# KiCad board JL_checkpoint.kicad_pcb (continued)
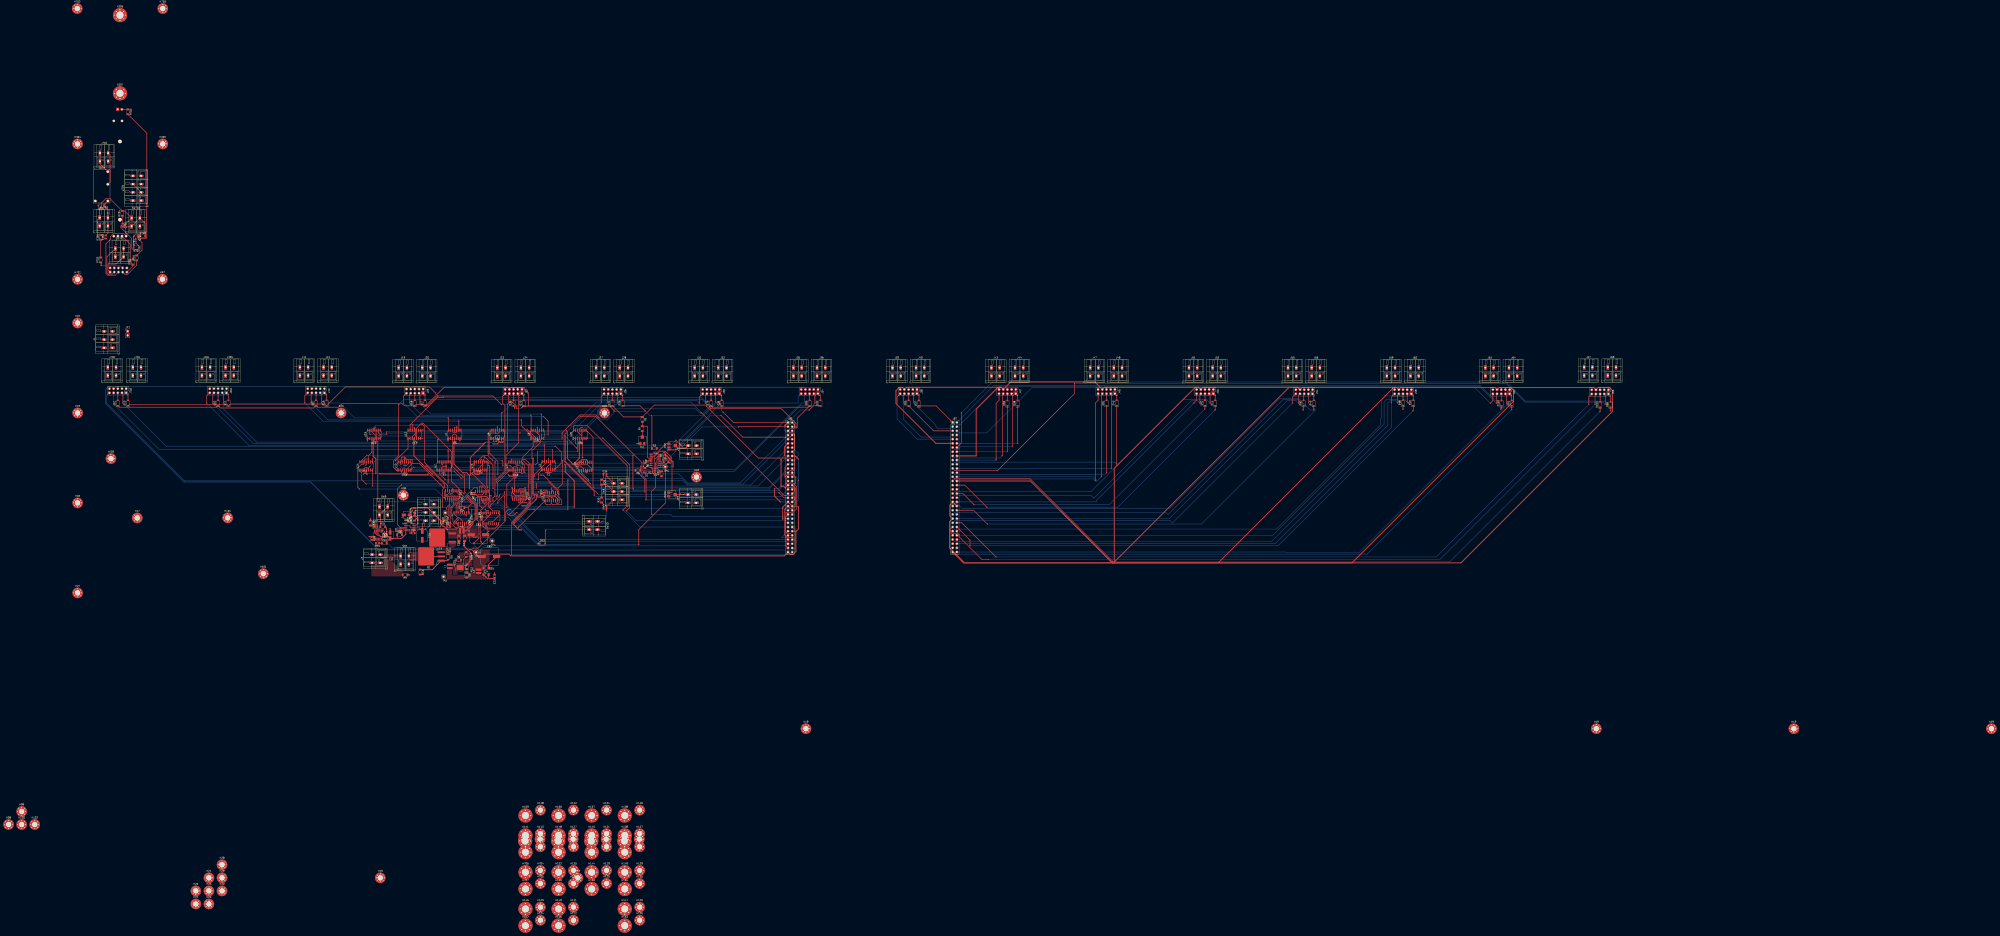
[diagram p0: board, top side]
## Routing (per net, layer and track width the routed paths; a pad name or vN(x,y) marks a point on that pad's centre or on a via; arc(x,y) is an arc through that point) (continued)
/Power Supply/5VA Unfiltered: length 8
  Top w0.5: C24.1 290.88,210.8 294.69,210.8 C23.1
GND: length 222.2
  Top w0.3: U16.11 286.69,281.07 ; 217.19,280.29 U14.11 ; 271.8,294.07 C4.1 271.65,293.54 v1(271.69,293.5) ; 321.19,300 U6.11 ; C18.1 308.69,275.16 310.92,275.16 311.54,274.55 312.19,274.55 312.61,274.98 312.61,277.47 310.59,279.5 308.73,279.5 307.69,280.55 U17.11 ; U10.11 240.44,280.81 ; 241.15,274.67 C10.1
  Top w0.349: U25.8 270.57,250.2 272.77,248 273.52,248 275.65,245.87 U25.13 ; R1.1 397.88,282.53 v2(397.31,283.1) ; v2(396.71,281.77) 396.26,282.21 U1.11 ; U2.7 354.25,277.5 351.75,280 C3.2 ; C1.1 329.46,275.23 v1(329.49,275.25) ; C14.1 215.96,274.77 v1(215.44,274.25) ; v1(327.89,283.82) 327.94,283.77 U3.11 ; C20.1 347.59,293.3 v2(347.68,293.2) ; U26.8 297.63,243.45 295.41,241.23 289.61,241.23 288.02,242.82 288.02,245.17 292.55,249.7 U26.13 292.55,249.77 291.01,248.23 288.23,248.23 C89.1 ; v2(295.58,294.27) 295.6,294.25 C9.1 ; 217.19,280.29 217.19,280 v1(216.94,279.75) ; v2(321.21,302.7) 321.19,302.68 U6.11 ; v2(348.51,302.7) 347.69,302.7 346.94,301.95 U20.11 ; v2(385.56,282.3) 386.46,281.4 R6.1 ; v2(387.16,282.43) 387.83,281.75 C2.1
  Top w0.5: v1(292.81,217.25) C25.2 291.56,219.4 C85.2 ; R26.1 236.05,236.06 v1(236.06,236.05) ; R9.1 243.56,213.1 v1(243.59,213.07) ; v1(240.29,284.05) 240.44,283.9 U10.11 ; C17.1 284.49,274.98 v1(284.36,274.85) ; v3(305.74,266) 306.13,265.61 U5.7 306.13,263 307.98,261.15 311.59,261.15 312.23,260.5 C5.2 ; 240.16,249.54 240.16,249.1 v1(239.04,247.98) ; v2(222.88,302.73) 221.94,301.78 U15.11 221.94,302.05 ; C38.1 219.11,236.25 v1(219.01,236.35) ; C13.2 325.12,261.5 327.44,261.5 328.09,260.85 328.69,260.85 328.77,260.92 331.83,260.92 333.5,259.25 U13.7 ; 289.71,237.5 289.71,237.8 v1(291.69,239.77) ; v1(274.11,232.27) 273.51,232.88 C26.2 ; 284.19,262.03 283.69,262.03 ; 283.69,262.03 C8.2 281.47,262.03 v3(281.28,261.84) ; 283.69,262.03 284.87,260.85 290.15,260.85 291.25,259.75 U8.7 ; R32.1 219.76,247.48 v1(219.79,247.5) ; C39.2 223.11,230.93 v1(223.19,230.85) ; v2(296.89,302.88) 296.94,302.82 U9.11 ; U25.13 275.65,243.04 276.54,242.15 278.82,242.15 281.19,244.51 C88.1 ; C82.1 240.92,246.04 v1(240.86,245.98) ; C16.2 280.19,222 ; 280.19,222 280.19,221.21 R13.1 ; 280.19,222 281,222.81 281,226.14 276.61,230.53 v1(276.61,232.25) 277.01,232.65 C27.2 ; C15.1 222.66,294.27 223.19,293.75 ; v2(270.99,302.57) 270.94,302.52 U4.11 ; C87.1 v1(228.26,239.55) ; v1(251.66,213.38) 251.64,213.35 R10.2 ; v1(231.71,241.12) 231.76,241.07 C86.2 ; U12.11 v2(246.44,302.68) ; v2(247.99,293.63) 247.39,294.23 C12.1 ; C34.1 243.77,238.54 v1(243.76,238.52) ; C11.2 274.08,260.9 265.58,260.9 265.08,261.41 265.08,263.93 U11.7 ; C10.1 241.86,274.98 v1(242.14,274.7) ; RV1.3 381.6,292.86 v2(381.59,292.85) ; C24.2 v1(291.56,211.7) ; C6.1 319.53,294.02 v3(319.42,293.92) ; v1(287.34,283.32) 286.69,282.68 U16.11 ; v1(239.54,244.2) 239.54,244.19 U23.1 ; U24.1 226.89,239.8 v1(227.49,240.4) ; C23.2 v1(295.19,214.5) ; C3.2 345.2,280.18 344.11,280.18 v1(344.04,280.1)
  vias: v2(223.45,293.63)
*CV_8: length 273.7
  Top w0.349: U12.2 U12.1 242.63,290.1 v3(235.11,282.58) ; v3(274.89,271.8) 270.73,275.95 v3(270.69,275.95)
  Bottom w0.349: v3(270.69,275.95) 270.69,276 270.56,276.13 240.87,276.13 235.11,281.89 v3(235.11,282.58) ; J85.9 446.2,268.3 412.41,268.3 408.92,271.8 v3(274.89,271.8)
*CV_9: length 260.9
  Top w0.349: v3(423.94,315.5) 455.36,284.08 474.68,284.08 J85.20 ; v3(264.19,321) 260.59,321 243.9,304.31 U12.13 U12.14
  Bottom w0.349: v3(264.19,321) 420.79,321 424.04,317.75 424.04,315.61 v3(423.94,315.5)
*CV_10: length 275.5
  Top w0.349: U14.9 U14.8 220.94,281.79 v3(220.94,283.5) ; v3(294.19,265.75) 294.19,279.82 289.26,284.75 v3(288.94,284.75)
  Bottom w0.349: v3(294.19,265.75) 294.96,264.98 355.01,264.98 355.53,265.5 378.09,265.5 379.11,264.48 467.77,264.48 J85.29 ; v3(220.94,283.5) 222.19,284.75 v3(288.94,284.75)
*CV_11: length 291.8
  Top w0.349: v3(420.69,311.75) 471.22,261.22 476.48,261.22 477.22,260.48 477.22,258.68 J85.40 ; v1(225.64,298.23) 225.64,296.13 U15.7 U15.6 ; v1(229.69,298.3) v1(229.69,300.02)
  Bottom w0.349: v1(225.64,298.23) 225.71,298.3 v1(229.69,298.3) ; v1(229.69,300.02) 339.01,300.02 357.08,318.1 414.34,318.1 v3(420.69,311.75)
*CV_12: length 272.7
  Top w0.349: v3(279.19,261.25) 284.16,256.27 284.16,246.93 285.66,245.43 285.66,235.48 v3(282.69,232.5) ; U16.2 U16.1 282.88,276.28 v1(283.51,275.65) ; v1(276.91,274.17) 276.91,263.52 v1(277.35,263.09)
  Bottom w0.349: v3(282.69,232.5) 282.69,231.15 285.64,228.2 476.48,228.2 477.82,229.54 477.82,242.1 476.48,243.44 474.68,243.44 J85.49 ; v1(283.51,275.65) 282.23,275.65 280.75,274.17 v1(276.91,274.17) ; v3(279.19,261.25) v1(277.35,263.09)
*CV_13: length 251.9
  Top w0.349: U16.13 U16.14 282.94,281.67 v3(282.94,279.75) ; v3(286.99,233.1) 286.99,233.2 286.56,233.62 286.56,237.05 286.45,237.16 286.45,252.02 292.19,257.75 292.19,279.25 v3(291.69,279.75)
  Bottom w0.349: v3(291.69,279.75) v3(282.94,279.75) ; J85.60 474.68,230.74 289.35,230.74 v3(286.99,233.1)
*CV_14: length 183.2
  Top w0.349: U17.9 U17.8 313.19,280.04 313.19,275.5 v3(313.59,275.1)
  Bottom w0.349: J85.7 444.26,268.9 412.66,268.9 407.06,274.5 314.19,274.5 v3(313.59,275.1)
*CV_15: length 167.1
  Top w0.349: v3(351.69,296.25) 350.97,296.25 U20.7 U20.6 ; v3(360.94,296.25) 377.19,280 377.19,254 v3(375.19,252)
  Bottom w0.349: v3(375.19,252) 381.21,245.98 474.68,245.98 J85.50 ; v3(360.94,296.25) v3(351.69,296.25)
*GATE_8: length 253.7
  Top w0.349: v3(478.24,303.13) 478.24,305.18 469.37,314.05 426.64,314.05 v3(425.59,315.09) ; 249.69,296.02 U12.7 ; 249.69,296.02 U12.6 ; 249.69,296.02 251.41,296.02 v3(251.44,296) ; v3(336.19,296.25) 336.19,299.39 347.04,310.25 356.85,310.25 v3(358.64,308.46)
  Bottom w0.349: v3(251.44,296) 251.69,296.25 v3(336.19,296.25) ; v3(478.24,303.13) J85.4 ; v3(425.59,315.09) 421.73,311.22 421.73,310.98 420.36,310.98 417.34,314 368.59,314 367.41,312.82 367.41,311.27 363.81,307.67 359.43,307.67 v3(358.64,308.46)
*GATE_9: length 279.1
  Top w0.349: v1(214.44,275) 213.38,276.06 U14.1 U14.2 ; v1(214.44,273.64) 214.44,271 v1(217.19,268.25)
  Bottom w0.349: J85.13 450.68,267.7 412.16,267.7 409.37,270.5 353.03,270.5 352.51,269.98 317.01,269.98 315.53,268.5 217.44,268.5 v1(217.19,268.25) ; v1(214.44,275) 214.44,273.64 v1(214.44,273.64)
*GATE_10: length 293.9
  Top w0.349: v3(217.69,285.75) 214.65,282.71 U14.13 U14.14 ; v3(379.19,285.73) 379.19,265.5 v3(379.44,265.25)
  Bottom w0.349: v3(217.69,285.75) 217.71,285.73 v3(379.18,285.73) ; v3(379.44,265.25) 461.94,265.25 470.61,273.92 476.48,273.92 477.22,274.66 477.22,276.46 J85.24
*GATE_11: length 282.7
  Top w0.349: U15.8 U15.9 224.48,299.71 v3(224.94,299.25) ; v3(355.69,261.5) 355.69,263.81 337.41,282.08 337.41,297.98 v3(338.69,299.25)
  Bottom w0.349: v3(338.69,299.25) v3(310.69,299.25) v3(224.94,299.25) ; J85.33 469.02,260.64 356.55,260.64 v3(355.69,261.5)
*GATE_12: length 203
  Top w0.349: v3(290.94,266.33) 290.5,266.77 U16.7 U16.6
  Bottom w0.349: J85.44 474.68,253.6 304.34,253.6 291.44,266.51 290.94,266.51 v3(290.94,266.33)
*GATE_13: length 228.3
  Top w0.349: v3(296.14,260.71) 296.96,261.52 296.96,269.27 303.88,276.19 U17.1 U17.2
  Bottom w0.349: v3(296.14,260.71) 296.14,259.58 322.44,233.28 476.48,233.28 477.22,234.02 477.22,235.08 476.48,235.82 469.6,235.82 J85.53
*GATE_14: length 246.6
  Top w0.349: U17.14 U17.13 305.44,282.01 v3(305.44,283.23) ; v3(312.94,283.23) 313.95,283.23 317.44,279.74 317.44,260.23 316.99,259.77 316.99,256.55 305.44,245 v3(305.44,225.5)
  Bottom w0.349: v3(312.94,283.23) v3(305.44,283.23) ; J85.64 474.68,225.66 305.6,225.66 v3(305.44,225.5)
*GATE_15: length 160.8
  Top w0.349: U20.9 U20.8 354.97,296.75 354.97,266.47 v3(355.19,266.25)
  Bottom w0.349: v3(355.19,266.25) 461.93,266.25 J85.23
*RELAYS_8: length 249.6
  Top w0.349: v3(344.94,290.25) 339.46,295.73 339.46,300.23 v3(338.79,300.9) ; J85.8 474.68,296.78 445.91,296.78 v3(432.69,310) ; U12.9 U12.8 251.41,300.98 v3(251.69,301.25) ; v3(400.19,289) 405.44,289 v3(405.69,289.25)
  Bottom w0.349: v3(338.79,300.9) 338.61,300.73 252.21,300.73 v3(251.69,301.25) ; v3(400.19,289) 398.94,290.25 v3(344.94,290.25) ; v3(432.69,310) 426.44,310 v3(405.69,289.25)
*RELAYS_9: length 270.9
  Top w0.349: v3(220.94,267.25) 221,267.31 U14.7 U14.6
  Bottom w0.349: J85.17 455.16,267.1 221.08,267.1 v3(220.94,267.25)
*RELAYS_10: length 321.1
  Top w0.349: v3(387.06,258.73) 387.21,258.87 387.21,271.13 384.69,273.66 384.69,281.32 356.73,309.27 v3(347.16,309.27) ; U15.2 U15.1 218.13,294.71 v3(217.94,294.52)
  Bottom w0.349: v3(387.06,258.73) 387.11,258.68 477.37,258.68 478.94,260.25 478.94,272 478.29,272.65 J85.28 ; v3(217.94,294.52) 217.94,298.94 222.72,303.73 340.91,303.73 340.94,303.75 341.64,303.75 v3(347.16,309.27)
*RELAYS_11: length 283.7
  Top w0.349: v3(219.44,298.5) 219.4,298.54 U15.13 U15.14 ; v3(467.94,263) 470.99,259.95 J85.37 ; v3(357.69,262.5) 357.69,262.65 338.19,282.15 v3(338.19,297.5)
  Bottom w0.349: v3(219.44,298.5) 223.94,298.5 224.96,297.48 338.16,297.48 v3(338.19,297.5) ; v3(357.69,262.5) 358.19,262 410.29,262 411.37,263.09 467.85,263.09 v3(467.94,263)
*RELAYS_12: length 222.5
  Top w0.349: v3(390.66,249.93) 390.51,250.07 390.51,263.83 392.94,266.25 v3(392.94,281) ; U16.9 U16.8 290.96,281.73 v3(291.69,281)
  Bottom w0.349: v3(390.66,249.93) 401.99,249.93 403.39,248.52 474.68,248.52 J85.48 ; v3(291.69,281) v3(392.94,281)
*RELAYS_13: length 208.2
  Top w0.3: v1(311.74,275.3) 311.5,275.54 U17.7 U17.6 ; v1(309.29,274.42) 309.29,273.65 309.01,273.38
  Top w0.349: v3(302.62,254.19) 302.62,267.99 308.01,273.38 309.01,273.38
  Bottom w0.3: v1(311.74,275.3) 310.16,275.3 v1(309.29,274.42)
  Bottom w0.349: J85.57 322.26,234.55 v3(302.62,254.19)
*RELAYS_14: length 141.6
  Top w0.349: v3(344.44,293) 344.44,295.99 U20.2 U20.1 ; v3(409.19,291) v3(405.31,294.88) ; v3(443.44,303) 443.57,303.13 J85.3
  Bottom w0.349: v3(443.44,303) 421.19,303 v3(409.19,291) ; v3(405.31,294.88) 402.33,291.9 345.54,291.9 v3(344.44,293)
*RELAYS_15: length 178.9
  Top w0.349: v3(373.19,252.5) 375.69,255 375.69,279.5 351.44,303.75 343.69,303.75 343.13,303.19 U20.14 U20.13
  Bottom w0.349: v3(373.19,252.5) 383.52,242.17 J85.51
/CascadeCounters-CommonOutputs/EIGHT: length 27.6
  Top w0.349: v3(284.94,247.25) 284.9,247.29 U8.2 ; U25.9 270.57,245.38 v3(272.44,247.25)
  Bottom w0.349: v3(272.44,247.25) v3(284.94,247.25)
/CascadeCounters-CommonOutputs/FIVE: length 62.1
  Top w0.349: v3(289.19,256.27) 288.71,256.75 U8.5 ; v3(301.19,263.5) 301.19,261.92 297.19,257.92 v3(297.19,256.75) ; v3(281.44,256.5) 279.46,254.52 U25.1 ; v3(321.78,263.5) 323.98,263.5 325.11,264.62 326.72,264.62 327.15,264.2 U13.13 327.15,262.25
  Bottom w0.349: v3(297.19,256.75) 296.66,256.23 289.23,256.23 v3(289.19,256.27) 288.96,256.5 v3(281.44,256.5) ; v3(321.78,263.5) v3(301.19,263.5)
/CascadeCounters-CommonOutputs/FOUR: length 81.1
  Top w0.3: v1(330.48,264.23) 330.96,263.76 U13.10
  Top w0.349: U5.2 312.48,261.54 v3(312.44,261.5) ; v3(301.19,246.48) v3(301.19,260.82) ; v3(273,246.48) 271.84,245.31 U25.10
  Bottom w0.349: 300.94,246.48 301.44,246.48 ; 300.94,246.48 v3(301.19,246.48) ; 300.94,246.48 v3(273,246.48) ; v3(301.19,260.82) 301.86,261.5 v3(312.44,261.5) 313.81,262.87 321.31,262.87 321.46,262.73 323.06,262.73 324.39,261.4 327.65,261.4 v1(330.48,264.23)
/CascadeCounters-CommonOutputs/NINE: length 29
  Top w0.349: U11.5 267.92,263.25 266.42,261.75 v3(265.94,261.75) ; U25.11 272.94,244.33 v3(272.94,243) ; v3(267.94,255.02) 267.41,254.5 v3(267.41,249.25)
  Bottom w0.349: v3(272.94,243) 272.94,243.73 v3(267.41,249.25) ; v3(267.94,255.02) 269.96,257.05 269.96,257.82 266.03,261.75 v3(265.94,261.75)
/CascadeCounters-CommonOutputs/ONE: length 22.2
  Top w0.349: U11.13 271.73,256.39 269.19,253.85 v3(269.19,249) ; U25.2 277.94,250.75 v3(277.94,249)
  Bottom w0.349: v3(269.19,249) v3(277.94,249)
/CascadeCounters-CommonOutputs/RESET_COUNTERS: length 66
  Top w0.349: v3(278.44,254) 276.86,254 R34.1 ; v3(289.69,252.75) 290.01,252.43 U26.15 290.01,249.68 v3(290.69,249) ; 322.65,232.15 322.55,232.25 v3(321.44,232.25) ; v3(281.34,252.75) 281.34,248.45 278.19,245.3 U25.15
  Bottom w0.349: v3(278.44,254) 279.69,252.75 v3(281.34,252.75) v3(289.69,252.75) ; v3(290.69,249) 304.69,249 v3(321.44,232.25)
/CascadeCounters-CommonOutputs/SEVEN: length 23.5
  Top w0.349: U8.13 284.9,265.79 284.69,266 282.69,266 272.93,256.25 272.93,251.17 U25.6
/CascadeCounters-CommonOutputs/SIX: length 31.5
  Top w0.349: U8.10 288.71,262.75 287.71,261.75 v1(285.44,261.75) ; v3(274.02,262.11) 273.33,262.11 271.73,263.71 U11.2 ; v1(277.14,259) 274.9,256.77 274.9,251.53 U25.5
  Bottom w0.3: 278.49,258.9 279.34,259.75 280.25,259.75 282.03,261.53 282.06,261.53 282.28,261.75
  Bottom w0.349: v1(285.44,261.75) 282.28,261.75 ; 278.49,258.9 277.24,258.9 v1(277.14,259) 275.91,260.23 275.91,260.68 274.48,262.11 v3(274.02,262.11)
/CascadeCounters-CommonOutputs/TENS: length 127.5
  Top w0.349: U13.12 328.42,261.52 328.49,261.59 332.17,261.59 332.23,261.54 U13.9 332.23,262.25 335.94,258.54 335.94,255.75 330.44,255.75 329.69,256.5 ; 268.19,245 268.19,253.69 270.46,255.96 v1(270.46,256.5) U11.12 ; 268.19,245 271.44,241.75 v3(271.69,241.75) ; 268.19,245 268.19,244.75 ; v1(272.44,256.75) 276.31,260.62 276.31,260.91 U11.1 273,263.71 ; 329.69,256.5 U13.4 ; 329.69,256.5 328.94,255.75 326.69,255.75 325.88,256.56 U13.1 309.69,242.08 v3(309.69,242) ; U26.2 289.94,244.18 v3(289.94,242)
  Bottom w0.349: v3(271.69,241.75) 289.69,241.75 v3(289.94,242) v3(309.69,242) ; v1(270.46,256.5) 270.71,256.75 v1(272.44,256.75)
/CascadeCounters-CommonOutputs/THREE: length 75.2
  Top w0.349: 311.69,257.25 312.48,258.04 U5.13 ; 311.69,257.25 311.94,257 v3(314.69,257) ; 311.69,257.25 v3(304.44,250) ; v3(329.69,260) 330.21,260 330.96,259.25 U13.5 ; v3(271.94,255.5) 271.84,255.4 U25.7
  Bottom w0.349: v3(271.94,255.5) 298.94,255.5 v3(304.44,250) ; v3(314.69,257) 316.49,257 317.43,257.95 317.43,259.39 317.84,259.8 319.16,259.8 320.06,258.9 321.16,260 v3(329.69,260)
/CascadeCounters-CommonOutputs/ZERO: length 135.2
  Top w0.349: U26.14 291.19,250.85 v3(291.19,252.25) ; v3(339.69,252.75) v3(339.69,270.75) ; v3(352.23,270.8) 347.9,275.14 U2.2 ; v3(276.69,249.77) 276.69,250.77 U25.3 ; U11.10 267.92,256.1 265.94,254.12 v3(265.94,253.25) ; v3(319.33,252.83) 315.51,252.83 v3(307.19,244.5)
  Bottom w0.349: v3(339.69,270.75) 352.19,270.75 v3(352.23,270.8) ; 286.44,248 290.69,252.25 v3(291.19,252.25) ; 286.44,248 303.69,248 v3(307.19,244.5) ; 286.44,248 285.28,248 283.51,249.77 v3(276.69,249.77) 269.41,249.77 v3(265.94,253.25) ; v3(339.69,252.75) 339.61,252.83 v3(319.33,252.83)
/CascadeCounters-CommonOutputs/ZEROES: length 164
  Top w0.349: U26.3 291.28,245.05 291.73,245.5 294.19,245.5 298.35,249.67 298.35,251.64 298.02,251.97 294.09,251.97 291.66,254.41 291.66,256.38 292.96,257.68 v3(292.96,261.25) ; v3(269.69,265.56) 269.69,264.73 U11.4 ; U8.12 286.17,266.71 286.56,267.11 287.76,267.11 289.98,264.89 U8.9 v3(289.98,262.04) ; 313.75,262 U5.1 313.75,265.94 v3(313.69,266) ; 313.75,262 313.75,264.49 312.86,265.37 310.36,265.37 309.94,264.95 U5.4 ; 313.75,262 313.75,261.56 313.69,261.5 v1(313.69,261.42) ; v3(287.93,257.3) 287.93,258.28 U8.4 287.44,259.75 287.01,260.17 284.05,260.17 283.63,259.75 U8.1 283.16,258.77 v3(282.19,259.75) ; v3(320.44,268.5) 320.69,268.25 v3(320.69,266) ; U5.12 311.21,260 ; U5.12 310.82,258.64 v1(310.82,257.37) ; U5.12 311.21,259.54 310.32,260.42 307.82,260.42 307.4,260 U5.9 ; v3(353.44,268.5) 346.63,275.31 U2.1
  Bottom w0.349: v3(289.98,262.04) 290.15,262.04 291.41,260.78 ; 291.41,260.78 v3(287.93,257.3) ; 291.41,260.78 291.88,261.25 v3(292.96,261.25) ; v1(310.82,257.37) 312.9,257.37 316.71,261.18 316.71,261.82 316.26,262.27 314.54,262.27 v1(313.69,261.42) ; v3(282.19,259.75) 282.19,258.4 281.66,257.87 281.16,257.87 281.09,257.95 280.44,257.95 279.99,257.49 279.99,256.98 274.96,256.98 269.69,262.25 v3(269.69,265.56) ; v3(313.69,266) v3(320.69,266) ; v3(353.44,268.5) v3(320.44,268.5)
/CV_OP-AMP_NON-INV: length 27.9
  Top w0.349: 390.85,283.48 U1.3 389.2,283.48 387.94,284.75 387.94,303.43 R4.2 384.91,306.05 R2.2
/CV_OP-AMP_OUT: length 15.4
  Top w0.349: RV2.3 399.25,292.8 391.21,284.75 U1.2 U1.1
/module-master/A_to_ALQ305_0: length 23.5
  Top w0.349: C703.2 60.35,420.68 SW703.2 60.35,434.98 D704.1 57.9,437.88 K701.1
/module-master/E_to_R_0: length 97.9
  Top w0.349: D703.2 76,418.3 75.85,418.45 75.85,418.66 Q701.2 77.46,420.27 78.62,420.27 78.92,419.98 78.92,417.92 79.32,417.52 83.49,417.52 83.98,418.02 83.98,481.45 R703.2
/module-master/R_to_B_0: length 14.5
  Top w0.349: R701.2 80.95,410.25 81.05,410.25 81.05,414.95 78.2,417.8 Q701.1
/module-master/R_to_C_0: length 94.3
  Top w0.349: R702.2 56,406 R705.1 54.05,418.65 54.05,428.88 SW703.1 55.35,435.75 56.45,436.85 56.45,439.04 59.01,441.61 61.65,441.61 R704.2 70.46,434.21 SW702.1 70.4,425.58 68.64,425.58 68.2,425.13 68.2,424.07 74.82,417.45 74.82,411.61 75.5,410.93 78.27,410.93 D703.1 79.3,412.72 C701.1 ; Q701.3 77.35,417.14 C701.2
/module-master/R_to_KLED_0: length 3.7
  Top w0.349: R703.1 72.41,495.95 D702.2
/module-master/SHUNT_1_0: length 4.9
  Top w0.349: R704.1 69.35,430.99 C702.1
/module-master/SHUNT_2_0: length 3.9
  Top w0.349: C703.1 58.2,417.43 R705.2
/module-master/SW_to_AQ-A_IN_0: length 47.3
  Top w0.349: SW702.2 74.42,424.6 C702.2 ; SW702.2 79.75,446.27 U701.3 ; SW702.2 83,426.68 R706.2
/Power Supply/LDO_LED_K: length 2.5
  Top w0.5: D7.1 263.81,244.84 R12.2
/Power Supply/POL-FET-D: length 9.1
  Top w0.5: Q1.2 Q1.2
/Power Supply/POL-FET-G: length 19.5
  Top w0.5: R10.1 257.33,216.27 Q1.1 266.45,221.79 D5.2
/Power Supply/SW-REG_ON: length 5.2
  Top w0.349: R11.1 276.19,222.25 276.19,219.8 275.88,219.8
/Power Supply/SW_REG_L: length 2.9
  Top w0.349: C21.2 268.4,218.9 L1.1
/Power Supply/Unfiltered-6V: length 2.9
  Top w0.5: 268.16,242.5 266.8,243.86 D7.2
/Timers/555-R-POT: length 8.8
  Top w0.349: R28.1 246.51,246.07 v3(247.69,247.25)
  Bottom w0.349: RV5.2 251.47,251.04 v3(247.69,247.25)
/Timers/555_2-6: length 18.8
  Top w0.349: U23.2 243.76,242.92 243.94,242.75 243.94,242 244.28,241.65 U23.6 249.4,241.65 C35.1 251.26,244.04 RV5.1
/Timers/555_5: length 2
  Top w0.349: U23.5 246.24,239.01 C34.2
/Timers/555_DIS: length 10.9
  Top w0.349: U23.7 247.21,242.92 248.69,244.4 248.69,247.66 247.39,248.96 R28.2 R27.1
/Timers/555_LED-K: length 2.7
  Top w0.349: R26.2 238.01,238.5 D21.1
/Timers/555M_5: length 2.1
  Top w0.349: 222.45,234.85 221.95,234.35 C38.2
/Timers/555M_DIS: length 5.5
  Top w0.349: R33.1 C39.1 224.99,232.37 U24.7 U24.6
/Timers/555M_LED-K: length 2.5
  Top w0.349: R32.2 220.05,242.85 D22.1
/Timers/ASTABLE_CLOCK_SWITCH: length 167.9
  Top w0.349: D21.2 238.13,241.65 U23.3 ; C36.2 363.16,273.1 SW8.3 ; D21.2 236.13,243.72 236.13,265.35 238.59,267.8 v1(238.69,267.8)
  Bottom w0.349: v1(238.69,267.8) 238.76,267.73 366.48,267.73 SW8.3
/Timers/MONOSTABLE_CLOCK_SWITCH: length 177.6
  Top w0.349: v1(305.04,252.77) 303.49,252.77 301.96,251.25 301.96,246.1 285.24,229.38 v1(282.11,229.38) ; D22.2 223.84,239.92 U24.3 223.72,238.84 v1(224.31,238.25) ; v1(362.99,251.95) 363.16,252.12 C37.2 363.16,254.5 363.26,254.5 SW8.1
  Bottom w0.349: v1(224.31,238.25) 233.19,229.38 v1(282.11,229.38) ; v1(362.99,251.95) 362.99,248.09 359.26,244.36 313.45,244.36 v1(305.04,252.77)
_5VA_0: length 15.7
  Top w0.5: v3(56.25,401.05) 56.25,402.68 R702.1
  Bottom w0.5: J701.8 67.94,400.94 56.36,400.94 v3(56.25,401.05)
_CV_0: length 26.1
  Top w0.3: 73.85,413.98 73.85,403.4 D701.1 75.5,400.72 J701.9
  Top w0.349: 73.85,413.98 RV701.1
_CV_OUTPUT_0: length 43.3
  Top w0.349: RV701.2 69.96,420.36 63.53,420.36 61.75,418.58 61.75,416.85 59.15,414.25 59.15,396.15 60.12,395.18 64.87,395.18 J701.5
_GATE_0: length 27.3
  Top w0.349: J701.3 62.93,395.78 60.52,395.78 59.75,396.55 59.75,406.32 SW701.1 SW701.1
_GATE_OUTPUT_0: length 21.7
  Top w0.349: J701.1 60.39,398.32 60.39,401.97 65.39,401.97 SW701.2 SW701.2
_RELAYS_0: length 14.3
  Top w0.349: R701.1 77.85,401.27 72.33,395.75 70.59,395.75 J701.7
CHAN_0: length 31.7
  Top w0.349: v3(344.69,279.27) 347.41,279.27 349.17,277.52 U2.3 ; 329.21,280.5 U3.5 ; 329.21,280.5 U3.10 ; 329.21,280.5 328.96,280.5 326.67,278.21 U3.3
  Bottom w0.349: v3(344.69,279.27) 330.16,279.27 v3(329.21,280.23)
CHAN_1: length 99.2
  Top w0.349: v3(308.33,272.6) 307.4,271.66 U5.6 307.4,265.96 v3(307.44,266) ; U3.12 326.67,281.35 319.46,274.15 v3(319.46,273) ; v3(276.04,272.6) v3(272.69,275.95) 269.67,278.97 U4.3 269.67,297.98 269.94,298.25 271.69,298.25 272.21,297.73 U4.5
  Bottom w0.349: v3(276.04,272.6) v3(308.33,272.6) 308.73,273 v3(319.46,273)
CHAN_2: length 108.7
  Top w0.3: U4.12 269.67,300 270.07,299.6 271.81,299.6 272.21,300 U4.10
  Top w0.349: U4.10 272.19,301 v3(272.19,302.95) ; v3(306.19,260.5) 306.19,259.08 U5.8 ; v3(315.94,261.5) 315.94,279.13 312.16,282.91 312.16,284.5 318.61,290.95 318.61,294.2 319.37,294.96 319.37,295.48 U6.3 319.92,296.54 314.96,301.5 v3(314.94,301.5)
  Bottom w0.349: v3(306.19,260.5) 306.41,260.73 315.16,260.73 v3(315.94,261.5) ; v3(314.94,301.5) 273.64,301.5 v3(272.19,302.95)
CHAN_3: length 62.3
  Top w0.349: 321.2,299.17 322.46,300.42 U6.10 ; 321.2,299.17 322.46,297.92 U6.5 322.46,295.51 323.23,294.73 323.23,293.8 318.84,289.4 317.91,289.4 317.91,283.68 318.09,283.5 318.09,262.38 319.44,261.03 319.44,260.45 318.09,259.1 ; 321.2,299.17 319.92,300.46 U6.12 ; U5.11 v3(309.94,257)
  Bottom w0.349: v1(318.13,259.1) 318.13,257.3 317.06,256.23 310.71,256.23 v3(309.94,257)
CHAN_4: length 105.7
  Top w0.349: v3(253.61,279.27) 253.85,279.27 264.71,268.42 264.71,266.01 263.44,264.74 v3(263.44,254.25) ; v3(311.19,262.27) 311.21,262.29 U5.3 ; U7.3 263.17,278.48 263.69,279 265.69,279 ; 265.69,279 265.71,279.02 U7.10 ; 265.69,279 265.71,278.98 U7.5 ; v3(292.44,254.73) 292.44,255.15 298.19,260.9 v3(298.19,261.5)
  Bottom w0.349: 291.94,254.77 274.21,254.77 273.69,254.25 v3(263.44,254.25) ; 291.94,254.77 292.41,254.77 292.44,254.75 ; 291.94,254.77 292.39,254.77 v3(292.44,254.73) ; v3(253.61,279.27) v3(265.69,279.27) ; v3(298.19,261.5) 298.96,262.27 v3(311.19,262.27)
CHAN_5: length 71.3
  Top w0.349: U9.5 298.21,297.73 298.19,297.75 295.69,297.75 295.69,297.02 295.67,297 U9.3 ; U7.12 263.17,280.52 v3(263.44,280.25) ; U8.6 289.94,258.74 v3(289.94,257) ; v3(294.19,258) 294.19,259.88 295.41,261.1 295.41,281.5 v3(295.69,281.77)
  Bottom w0.349: v3(289.94,257) 290.94,258 v3(294.19,258) ; v3(263.44,280.25) 264.96,281.77 v3(295.69,281.77)
CHAN_6: length 114
  Top w0.349: U10.3 238.69,276.3 v1(238.69,275.25) ; U8.8 291.25,264.93 v3(281.92,274.25) 281.69,274.25 ; 295.67,299.27 293.21,299.27 291.85,297.91 291.85,287.33 297.19,282 v3(297.19,274) ; 295.67,299.27 295.78,299.15 297.36,299.15 298.21,300 U9.10 298.21,301.95 ; 295.67,299.27 U9.12
  Bottom w0.349: v3(297.19,274) 282.17,274 v3(281.92,274.25) 281.15,273.48 238.96,273.48 238.94,273.5 238.94,275 v1(238.69,275.25)
CHAN_7: length 71
  Top w0.349: 241.42,282.99 241.42,283.91 240.58,284.75 239.19,284.75 238.62,284.18 238.62,282.27 U10.12 ; 241.42,282.99 241.69,283.25 245.19,283.25 245.19,280.77 ; 241.42,282.99 241.71,282.7 U10.10 ; 245.19,280.77 241.71,277.29 U10.5 ; 245.19,280.77 249.49,280.77 v3(263.94,266.33) ; v3(287.44,266.33) U8.11
  Bottom w0.349: v3(263.94,266.33) v3(287.44,266.33)
CHAN_8: length 167.6
  Top w0.349: 247.71,299.5 247.67,299.5 245.17,297 U12.3 ; 247.71,299.5 U12.5 247.71,297 247.28,297.42 247.28,301.69 250.86,305.27 251.76,305.27 268.97,288.06 268.97,270.04 v3(276.47,262.54) ; 247.71,299.5 U12.10 ; v3(287.34,254) 286.19,255.16 v3(286.19,257.27) 286.17,257.29 U8.3 ; v3(308.69,251) 308.44,251 306.66,249.23 304.12,249.23 v3(303.01,250.33) ; v3(280.76,257.17) 280.51,257.17 v1(277.73,259.95)
  Bottom w0.349: v3(287.34,254) 287.64,253.7 299.64,253.7 v3(303.01,250.33) ; v3(276.47,262.54) 277.73,261.28 v1(277.73,259.95) ; SW10.1 314.07,245.61 v3(308.69,251) ; v3(280.76,257.17) 280.87,257.27 v3(286.19,257.27)
CHAN_9: length 98.7
  Top w0.349: U12.12 245.17,304.48 v3(245.19,304.5) ; U11.6 266.65,267.33 252.69,281.29 v3(252.69,283.25) 252.69,303 v3(251.19,304.5) ; v3(219.44,279) 218.46,278.02 U14.5 218.46,277.48 217.69,278.25 216.42,278.25 215.92,277.75 U14.3
  Bottom w0.349: v3(219.44,279) 223.79,283.35 252.58,283.35 v3(252.69,283.25) ; v3(251.19,304.5) v3(245.19,304.5)
CHAN_10: length 93.9
  Top w0.349: 218.46,280.75 U14.10 218.46,283.5 ; 218.46,283.5 216.72,283.5 215.92,282.7 U14.12 215.92,280.75 215.49,280.33 214.36,280.33 212.1,278.07 212.1,266.33 v3(213.19,265.25) ; 218.46,283.5 218.46,285.42 220.67,287.63 U15.3 ; U11.8 264.65,260 v3(264.44,260)
  Bottom w0.349: v3(264.44,260) 259.19,265.25 v3(213.19,265.25)
CHAN_11: length 96.8
  Top w0.349: U15.10 U15.5 ; U15.12 220.67,300 223.21,297.46 U15.5 ; U15.5 223.21,295.03 224.27,293.97 224.27,257.74 v3(224.51,257.5) 224.19,257.5 ; v3(269.19,257.5) U11.11
  Bottom w0.349: v3(224.51,257.5) v3(269.19,257.5)